# KiCad board Transmi.kicad_pcb (continued)
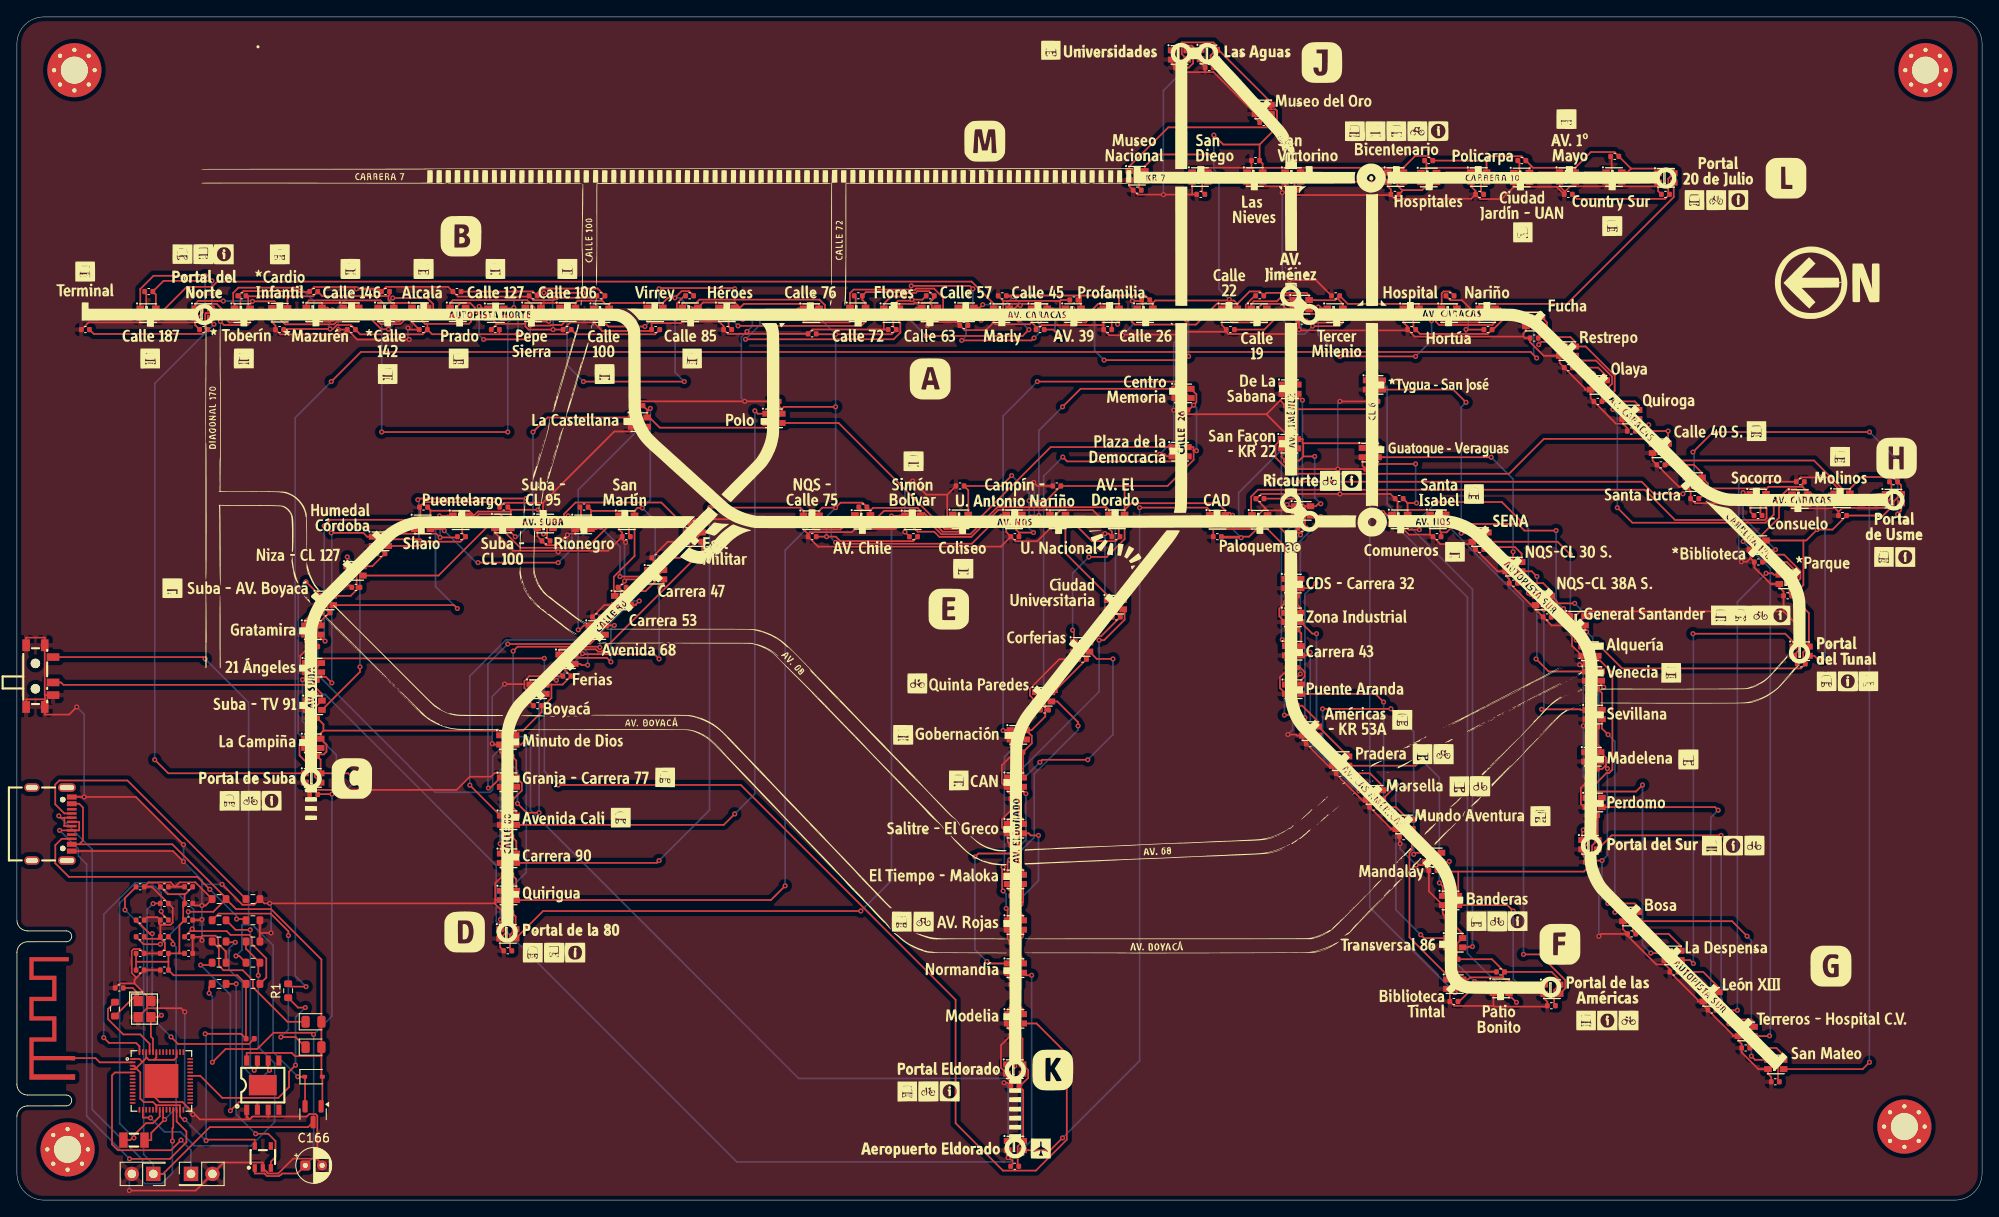
[diagram p0: board, top side]
## Library data of the parts
C1-C100 C102 C104 C116 C117 C122-C164 C166 = -: Description: Unpolarized capacitor; ki_fp_filters: C_*
C101 C103 C105-C115 C118-C121 = -: ki_fp_filters: C_*
D101 = -: ki_fp_filters: TO-???* *_Diode_* *SingleDiode* D_*
D129 D130 = -: ki_fp_filters: LED* LED_SMD:* LED_THT:*
H101-H104 = -: ki_fp_filters: MountingHole*
J101 J104 J105 = -: ki_fp_filters: Connector*:*_2x??_*
L101 = -: ki_fp_filters: Choke_* *Coil* Inductor_* L_*
LED2-LED148 = -: Datasheet: https://lcsc.com/product-detail/Light-Emitting-Diodes-LED_Worldsemi-WS2812B-2020_C965555.html; LCSC Part: C965555
Q101 = -: ki_fp_filters: SOT?23*
Q102 = -: Datasheet: https://lcsc.com/product-detail/Low-Dropout-Regulators-LDO_XC6220B331MR-G_C86534.html; Manufacturer: TOREX(特瑞仕); LCSC Part: C86534; JLC Part: Extended Part
R1 = -: Description: Resistor; ki_fp_filters: R_*
R101 R103-R109 R111-R113 = -: ki_fp_filters: R_*
SW129 = -: Manufacturer: XKB Connectivity(中国星坤); LCSC Part: C319019; JLC Part: Extended Part
U1 = -: LCSC Part: C2840995
U103 = -: Datasheet: https://lcsc.com/product-detail/PMIC-Battery-Management_UMW-Youtai-Semiconductor-Co-Ltd-TP4056_C725790.html; Manufacturer: TOPPOWER(南京拓微); LCSC Part: C725790; JLC Part: Basic Part
USB101 = -: Datasheet: https://lcsc.com/product-detail/USB-Connectors_SHOU-HAN-TYPE-C-16P-073_C668624.html; Manufacturer: SHOU HAN(首韩); LCSC Part: C668624; JLC Part: Extended Part
X101 = -: Datasheet: https://lcsc.com/product-detail/New-Arrivals_JGHC-S2240000101050_C426970.html; Manufacturer: JGHC(晶光华); LCSC Part: C426970; JLC Part: Extended Part
X102 = -: Datasheet: https://lcsc.com/product-detail/SMD-Crystals_EPSON_Q13FC1350000400_32-768KHz-20ppm-12-5pF_C32346.html; Manufacturer: EPSON(爱普生); LCSC Part: C32346; JLC Part: Basic Part

## Footprints (pads in the part's own frame, mm; a bottom-side part is the same pattern mirrored in y, then rotated)
C_0402_1005Metric
  rrect 0.56x0.62 smd: 1(-0.48,0) 2(0.48,0)
CP_Radial_D4.0mm_P2.00mm
  rrect 1.2x1.2 hole 0.6: 1(0,0)
  round 1.2 hole 0.6: 2(2,0)
CRYSTAL-SMD_4P-L2.5-W2.0-BL
  rect 1.2x1.1 smd: 1(-0.95,-0.75) 2(0.95,-0.75) 3(0.95,0.75) 4(-0.95,0.75)
D_SOD-323
  rrect 0.6x0.45 smd: 1(-1.05,0) 2(1.05,0)
ESOP-8_L4.9-W3.9-P1.27-LS6.0-BL-EP
  rect 0.6x1.2 smd: 1(-1.91,-2.91) 2(-0.64,-2.91) 3(0.64,-2.91) 4(1.91,-2.91) 5(1.91,2.91) 6(0.64,2.91) 7(-0.64,2.91) 8(-1.91,2.91)
  rect 3.3x2.4 smd: 9(0,0)
ESPRESSIF_ESP32_MIFA_2.4GHz_Right
  rect 0.5x0.5 smd: 1(-0.15,-0.01)
  rect 0.63x0.5 smd: 2(-2.385,-0.01)
FC-135R_L3.2-W1.5
  rect 1x1.8 smd: 1(-1.25,0) 2(1.25,0)
L_0402_1005Metric
  rrect 0.59x0.64 smd: 1(-0.485,0) 2(0.485,0)
LED-SMD_4P-L2.0-W2.0-TL_WS2812B-2020
  rect 0.9x0.7 smd: 1(-0.92,0.55) 2(-0.92,-0.55) 3(0.92,-0.55) 4(0.92,0.55)
LED_0805_2012Metric
  rrect 0.975x1.4 smd: 1(-0.938,0) 2(0.938,0)
MountingHole_3.2mm_M3_Pad_Via
  round 0.8 hole 0.5: 1(-2.4,0) 1(-1.697,1.697) 1(-1.697,-1.697) 1(0,2.4) 1(0,-2.4) 1(1.697,1.697) 1(1.697,-1.697) 1(2.4,0)
  round 6.4 hole 3.2: 1(0,0)
PinHeader_2x01_P2.54mm_Vertical
  rect 1.7x1.7 hole 1: 1(0,0)
  round 1.7 hole 1: 2(2.54,0)
QFN-56_L7.0-W7.0-P0.40-TL-EP4.0
  rect 0.66x0.2 smd: 1(-3.41,2.6) 2(-3.41,2.2) 3(-3.41,1.8) 4(-3.41,1.4) 5(-3.41,1) 6(-3.41,0.6) 7(-3.41,0.2) 8(-3.41,-0.2) 9(-3.41,-0.6) 10(-3.41,-1) 11(-3.41,-1.4) 12(-3.41,-1.8) 13(-3.41,-2.2) 14(-3.41,-2.6) 29(3.41,-2.6) 30(3.41,-2.2) 31(3.41,-1.8) 32(3.41,-1.4) 33(3.41,-1) 34(3.41,-0.6) 35(3.41,-0.2) 36(3.41,0.2) 37(3.41,0.6) 38(3.41,1) 39(3.41,1.4) 40(3.41,1.8) 41(3.41,2.2) 42(3.41,2.6)
  rect 0.2x0.66 smd: 15(-2.6,-3.41) 16(-2.2,-3.41) 17(-1.8,-3.41) 18(-1.4,-3.41) 19(-1,-3.41) 20(-0.6,-3.41) 21(-0.2,-3.41) 22(0.2,-3.41) 23(0.6,-3.41) 24(1,-3.41) 25(1.4,-3.41) 26(1.8,-3.41) 27(2.2,-3.41) 28(2.6,-3.41) 43(2.6,3.41) 44(2.2,3.41) 45(1.8,3.41) 46(1.4,3.41) 47(1,3.41) 48(0.6,3.41) 49(0.2,3.41) 50(-0.2,3.41) 51(-0.6,3.41) 52(-1,3.41) 53(-1.4,3.41) 54(-1.8,3.41) 55(-2.2,3.41) 56(-2.6,3.41)
  rect 4x4 smd: 57(0,0)
R_0603_1608Metric
  rrect 0.8x0.95 smd: 1(-0.825,0) 2(0.825,0)
SOT-23
  rrect 1.475x0.6 smd: 1(-0.938,0.95) 2(-0.938,-0.95) 3(0.938,0)
SOT-25_L3.0-W1.6-P0.95-LS2.8-TL
  rect 0.9x0.5 smd: 1(-1.3,0.95) 2(-1.3,0) 3(-1.3,-0.95) 4(1.3,-0.95) 5(1.3,0.95)
SW-SMD_SK-3296S-01-L3
  round 1.1 hole 1.1: (-1.5,-0.49) (1.5,-0.49)
  rect 0.9x1.5 smd: 1(-2.25,1.59) 2(0.75,1.59) 3(2.25,1.59)
  rect 1.4x0.9 smd: 4(-3.65,0.61) 4(-3.65,-1.59) 4(3.65,0.61) 4(3.65,-1.59)
USB-C-SMD_TYPE-C16PIN_C668624
  round 0.65 hole 0.65: (-2.89,1.29) (2.89,1.29)
  oval 1x2.1 hole 0.6x1.7: 1(-4.32,1.79) 2(4.32,1.79)
  oval 1x1.8 hole 0.6x1.4: 3(-4.32,-2.36) 4(4.32,-2.36)
  rect 0.6x1.15 smd: A1B12(-3.2,2.36) A4B9(-2.4,2.36) B1A12(3.2,2.36) B4A9(2.4,2.36)
  rect 0.3x1.15 smd: A5(-1.25,2.36) A6(-0.25,2.36) A7(0.25,2.36) A8(1.25,2.36) B5(1.75,2.36) B6(0.75,2.36) B7(-0.75,2.36) B8(-1.75,2.36)

## Nets
+3V3: C107.1 C108.1 C109.1 C113.2 C114.2 C115.2 C118.1 C119.1 C121.1 L101.1 Q102.5 R113.1 U1.1 U1.3 U1.4 U1.20 U1.27 U1.45 U1.51 U1.54
+5V: C106.1 D101.2 D129.2 D130.2 Q101.1 R101.2 U103.8 USB101.A4B9 USB101.B4A9
VBAT: R111.1 R112.2 U1.16
VBUS: D101.1 Q101.2 R112.1 SW129.1
VCC: C1.2 C2.2 C3.2 C4.2 C5.2 C6.2 C7.2 C8.2 C9.2 C10.2 C11.2 C12.2 C13.2 C14.2 C15.2 C16.2 C17.2 C18.2 C19.2 C20.2 C21.2 C22.2 C23.2 C24.2 C25.2 C26.2 C27.2 C28.2 C29.2 C30.2 C31.2 C32.2 C33.2 C34.2 C35.2 C36.2 C37.2 C38.2 C39.2 C40.2 C41.2 C42.2 C43.2 C44.2 C45.2 C46.2 C47.2 C48.2 C49.2 C50.2 C51.2 C52.2 C53.2 C54.2 C55.2 C56.2 C57.2 C58.2 C59.2 C60.2 C61.2 C62.2 C63.2 C64.2 C65.2 C66.2 C67.2 C68.2 C69.2 C70.2 C71.2 C72.2 C73.2 C74.2 C75.2 C76.2 C77.2 C78.2 C79.2 C80.2 C81.2 C82.2 C83.2 C84.2 C85.2 C86.2 C87.2 C88.2 C89.2 C90.2 C91.2 C92.2 C93.2 C94.2 C95.2 C96.2 C97.2 C98.2 C99.2 C100.2 C102.2 C104.2 C116.2 C117.2 C122.2 C123.2 C124.2 C125.2 C126.2 C127.2 C128.2 C129.2 C130.2 C131.2 C132.2 C133.2 C134.2 C135.2 C136.2 C137.2 C138.2 C139.2 C140.2 C141.2 C142.2 C143.2 C144.2 C145.2 C146.2 C147.2 C148.2 C149.2 C150.2 C151.2 C152.2 C153.2 C154.2 C155.2 C156.2 C157.2 C158.2 C159.2 C160.2 C161.2 C162.2 C163.2 C164.2 C166.1 LED2.4 LED3.4 LED4.4 LED5.4 LED6.4 LED7.4 LED8.4 LED9.4 LED10.4 LED11.4 LED12.4 LED13.4 LED14.4 LED15.4 LED16.4 LED17.4 LED18.4 LED19.4 LED20.4 LED21.4 LED22.4 LED23.4 LED24.4 LED25.4 LED26.4 LED27.4 LED28.4 LED29.4 LED30.4 LED31.4 LED32.4 LED33.4 LED34.4 LED35.4 LED36.4 LED37.4 LED38.4 LED39.4 LED40.4 LED41.4 LED42.4 LED43.4 LED44.4 LED45.4 LED46.4 LED47.4 LED48.4 LED49.4 LED50.4 LED51.4 LED52.4 LED53.4 LED54.4 LED55.4 LED56.4 LED57.4 LED58.4 LED59.4 LED60.4 LED61.4 LED62.4 LED63.4 LED64.4 LED65.4 LED66.4 LED67.4 LED68.4 LED69.4 LED70.4 LED71.4 LED72.4 LED73.4 LED74.4 LED75.4 LED76.4 LED77.4 LED78.4 LED79.4 LED80.4 LED81.4 LED82.4 LED83.4 LED84.4 LED85.4 LED86.4 LED87.4 LED88.4 LED89.4 LED90.4 LED91.4 LED92.4 LED93.4 LED94.4 LED95.4 LED96.4 LED97.4 LED98.4 LED99.4 LED100.4 LED101.4 LED102.4 LED103.4 LED104.4 LED105.4 LED106.4 LED107.4 LED108.4 LED109.4 LED110.4 LED111.4 LED112.4 LED113.4 LED114.4 LED115.4 LED116.4 LED117.4 LED118.4 LED119.4 LED120.4 LED121.4 LED122.4 LED123.4 LED124.4 LED125.4 LED126.4 LED127.4 LED128.4 LED129.4 LED130.4 LED131.4 LED132.4 LED133.4 LED134.4 LED135.4 LED136.4 LED137.4 LED138.4 LED139.4 LED140.4 LED141.4 LED142.4 LED143.4 LED144.4 LED145.4 LED146.4 LED147.4 LED148.4 Q102.1 R106.1 SW129.2
+BATT: C101.1 J101.1 Q101.3
BOOT: J105.1 U1.5
CHRG: R103.2 U103.7
Earth: C1.1 C2.1 C3.1 C4.1 C5.1 C6.1 C7.1 C8.1 C9.1 C10.1 C11.1 C12.1 C13.1 C14.1 C15.1 C16.1 C17.1 C18.1 C19.1 C20.1 C21.1 C22.1 C23.1 C24.1 C25.1 C26.1 C27.1 C28.1 C29.1 C30.1 C31.1 C32.1 C33.1 C34.1 C35.1 C36.1 C37.1 C38.1 C39.1 C40.1 C41.1 C42.1 C43.1 C44.1 C45.1 C46.1 C47.1 C48.1 C49.1 C50.1 C51.1 C52.1 C53.1 C54.1 C55.1 C56.1 C57.1 C58.1 C59.1 C60.1 C61.1 C62.1 C63.1 C64.1 C65.1 C66.1 C67.1 C68.1 C69.1 C70.1 C71.1 C72.1 C73.1 C74.1 C75.1 C76.1 C77.1 C78.1 C79.1 C80.1 C81.1 C82.1 C83.1 C84.1 C85.1 C86.1 C87.1 C88.1 C89.1 C90.1 C91.1 C92.1 C93.1 C94.1 C95.1 C96.1 C97.1 C98.1 C99.1 C100.1 C101.2 C102.1 C103.1 C104.1 C105.2 C106.2 C107.2 C108.2 C109.2 C110.2 C111.1 C112.1 C113.1 C114.1 C115.1 C116.1 C117.1 C118.2 C119.2 C120.2 C121.2 C122.1 C123.1 C124.1 C125.1 C126.1 C127.1 C128.1 C129.1 C130.1 C131.1 C132.1 C133.1 C134.1 C135.1 C136.1 C137.1 C138.1 C139.1 C140.1 C141.1 C142.1 C143.1 C144.1 C145.1 C146.1 C147.1 C148.1 C149.1 C150.1 C151.1 C152.1 C153.1 C154.1 C155.1 C156.1 C157.1 C158.1 C159.1 C160.1 C161.1 C162.1 C163.1 C164.1 C166.2 J101.2 J104.2 J105.2 LED2.2 LED3.2 LED4.2 LED5.2 LED6.2 LED7.2 LED8.2 LED9.2 LED10.2 LED11.2 LED12.2 LED13.2 LED14.2 LED15.2 LED16.2 LED17.2 LED18.2 LED19.2 LED20.2 LED21.2 LED22.2 LED23.2 LED24.2 LED25.2 LED26.2 LED27.2 LED28.2 LED29.2 LED30.2 LED31.2 LED32.2 LED33.2 LED34.2 LED35.2 LED36.2 LED37.2 LED38.2 LED39.2 LED40.2 LED41.2 LED42.2 LED43.2 LED44.2 LED45.2 LED46.2 LED47.2 LED48.2 LED49.2 LED50.2 LED51.2 LED52.2 LED53.2 LED54.2 LED55.2 LED56.2 LED57.2 LED58.2 LED59.2 LED60.2 LED61.2 LED62.2 LED63.2 LED64.2 LED65.2 LED66.2 LED67.2 LED68.2 LED69.2 LED70.2 LED71.2 LED72.2 LED73.2 LED74.2 LED75.2 LED76.2 LED77.2 LED78.2 LED79.2 LED80.2 LED81.2 LED82.2 LED83.2 LED84.2 LED85.2 LED86.2 LED87.2 LED88.2 LED89.2 LED90.2 LED91.2 LED92.2 LED93.2 LED94.2 LED95.2 LED96.2 LED97.2 LED98.2 LED99.2 LED100.2 LED101.2 LED102.2 LED103.2 LED104.2 LED105.2 LED106.2 LED107.2 LED108.2 LED109.2 LED110.2 LED111.2 LED112.2 LED113.2 LED114.2 LED115.2 LED116.2 LED117.2 LED118.2 LED119.2 LED120.2 LED121.2 LED122.2 LED123.2 LED124.2 LED125.2 LED126.2 LED127.2 LED128.2 LED129.2 LED130.2 LED131.2 LED132.2 LED133.2 LED134.2 LED135.2 LED136.2 LED137.2 LED138.2 LED139.2 LED140.2 LED141.2 LED142.2 LED143.2 LED144.2 LED145.2 LED146.2 LED147.2 LED148.2 Q102.2 R101.1 R105.2 R108.2 R109.2 R111.2 SW129.3 SW129.4 U1.57 U103.1 U103.3 USB101.A1B12 USB101.B1A12 X101.2 X101.4
LED: LED123.3 R1.2
RESET: C120.1 R113.2 U1.56
STBY: R104.2 U103.6
USB_DN: U1.25 USB101.A7 USB101.B7
USB_DP: U1.26 USB101.A6 USB101.B6
XTAL_N: C105.1 U1.52 X101.3
XTAL_P: R107.2 U1.53
Net-(C110-Pad1): C110.1 L101.2
Net-(D129-K): D129.1 R103.1
Net-(D130-K): D130.1 R104.1
Net-(J104-Pin_1): J104.1 U1.2
Net-(LED2-DO): LED2.1 LED26.3
Net-(LED5-DI): LED5.3 LED53.1
Net-(LED10-DI): LED9.1 LED10.3
Net-(LED10-DO): LED10.1 LED69.3
Net-(LED11-DO): LED11.1 LED59.3
Net-(LED12-DO): LED12.1 LED147.3
Net-(LED13-DO): LED13.1 LED37.3
Net-(LED14-DO): LED14.1 LED38.3
Net-(LED15-DI): LED3.1 LED15.3
Net-(LED15-DO): LED15.1 LED27.3
Net-(LED16-DI): LED4.1 LED16.3
Net-(LED16-DO): LED16.1 LED64.3
Net-(LED17-DI): LED17.3 LED65.1
Net-(LED18-DI): LED18.3 LED66.1
Net-(LED19-DI): LED19.3 LED55.1
Net-(LED20-DI): LED20.3 LED68.1
Net-(LED21-DI): LED21.3 LED57.1
Net-(LED21-DO): LED21.1 LED33.3
Net-(LED22-DI): LED22.3 LED34.1
Net-(LED22-DO): LED9.3 LED22.1
Net-(LED23-DO): LED23.1 LED71.3
Net-(LED24-DI): LED24.3 LED96.1
Net-(LED25-DO): LED25.1 LED49.3
Net-(LED26-DO): LED26.1 LED50.3
Net-(LED27-DO): LED27.1 LED39.3
Net-(LED28-DI): LED28.3 LED93.1
Net-(LED28-DO): LED28.1 LED76.3
Net-(LED29-DI): LED29.3 LED77.1
Net-(LED30-DI): LED30.3 LED78.1
Net-(LED31-DI): LED31.3 LED67.1
Net-(LED32-DI): LED32.3 LED80.1
Net-(LED33-DO): LED33.1 LED45.3
Net-(LED34-DI): LED34.3 LED46.1
Net-(LED35-DO): LED35.1 LED83.3
Net-(LED36-DI): LED36.3 LED84.1
Net-(LED36-DO): LED36.1 LED78.3
Net-(LED37-DO): LED37.1 LED61.3
Net-(LED38-DO): LED38.1 LED62.3
Net-(LED39-DO): LED39.1 LED51.3
Net-(LED40-DI): LED40.3 LED81.1
Net-(LED40-DO): LED40.1 LED88.3
Net-(LED41-DI): LED41.3 LED89.1
Net-(LED43-DI): LED43.3 LED79.1
Net-(LED44-DI): LED44.3 LED92.1
Net-(LED46-DI): LED46.3 LED58.1
Net-(LED47-DO): LED47.1 LED95.3
Net-(LED48-DI): LED48.3 LED72.1
Net-(LED48-DO): LED48.1 LED66.3
Net-(LED49-DO): LED49.1 LED73.3
Net-(LED50-DO): LED50.1 LED74.3
Net-(LED51-DO): LED51.1 LED63.3
Net-(LED54-DO): LED6.3 LED54.1
Net-(LED56-DO): LED8.3 LED56.1
Net-(LED57-DI): LED57.3 LED69.1
Net-(LED58-DI): LED58.3 LED70.1
Net-(LED60-DI): LED60.3 LED91.1
Net-(LED60-DO): LED7.3 LED60.1
Net-(LED61-DO): LED61.1 LED85.3
Net-(LED62-DO): LED62.1 LED86.3
Net-(LED63-DO): LED63.1 LED75.3
Net-(LED70-DI): LED70.3 LED82.1
Net-(LED73-DO): LED73.1 LED97.3
Net-(LED74-DO): LED74.1 LED98.3
Net-(LED75-DO): LED75.1 LED87.3
Net-(LED82-DI): LED82.3 LED94.1
Net-(LED87-DO): LED87.1 LED99.3
Net-(LED100-DI): LED52.1 LED100.3
Net-(LED100-DO): LED100.1 LED128.3
Net-(LED101-DI): LED101.3 LED131.1
Net-(LED101-DO): LED53.3 LED101.1
Net-(LED102-DI): LED102.3 LED105.1
Net-(LED102-DO): LED52.3 LED102.1
Net-(LED103-DI): LED103.3 LED128.1
Net-(LED103-DO): LED55.3 LED103.1
Net-(LED104-DI): LED104.3 LED126.1
Net-(LED104-DO): LED56.3 LED104.1
Net-(LED105-DI): LED8.1 LED105.3
Net-(LED106-DI): LED30.1 LED106.3
Net-(LED106-DO): LED11.3 LED106.1
Net-(LED107-DI): LED59.1 LED107.3
Net-(LED107-DO): LED107.1 LED113.3
Net-(LED108-DI): LED108.3 LED143.1
Net-(LED108-DO): LED12.3 LED108.1
Net-(LED109-DI): LED85.1 LED109.3
Net-(LED109-DO): LED109.1 LED133.3
Net-(LED110-DI): LED86.1 LED110.3
Net-(LED110-DO): LED110.1 LED134.3
Net-(LED111-DI): LED99.1 LED111.3
Net-(LED111-DO): LED94.3 LED111.1
Net-(LED112-DI): LED64.1 LED112.3
Net-(LED112-DO): LED112.1 LED139.3
Net-(LED113-DO): LED65.3 LED113.1
Net-(LED114-DI): LED114.3 LED141.1
Net-(LED114-DO): LED90.3 LED114.1
Net-(LED115-DI): LED115.3 LED140.1
Net-(LED115-DO): LED67.3 LED115.1
Net-(LED116-DI): LED116.3 LED138.1
Net-(LED116-DO): LED68.3 LED116.1
Net-(LED117-DI): LED20.1 LED117.3
Net-(LED117-DO): LED81.3 LED117.1
Net-(LED118-DI): LED18.1 LED118.3
Net-(LED118-DO): LED23.3 LED118.1
Net-(LED119-DI): LED42.1 LED119.3
Net-(LED119-DO): LED119.1 LED142.3
Net-(LED120-DI): LED17.1 LED120.3
Net-(LED120-DO): LED72.3 LED120.1
Net-(LED121-DI): LED97.1 LED121.3
Net-(LED121-DO): LED2.3 LED121.1
Net-(LED122-DI): LED98.1 LED122.3
Net-(LED122-DO): LED13.3 LED122.1
Net-(LED123-DO): LED123.1 LED135.3
Net-(LED124-DI): LED76.1 LED124.3
Net-(LED124-DO): LED124.1 LED127.3
Net-(LED125-DI): LED95.1 LED125.3
Net-(LED125-DO): LED77.3 LED125.1
Net-(LED126-DI): LED31.1 LED126.3
Net-(LED127-DO): LED79.3 LED127.1
Net-(LED129-DI): LED32.1 LED129.3
Net-(LED129-DO): LED93.3 LED129.1
Net-(LED130-DI): LED6.1 LED130.3
Net-(LED130-DO): LED35.3 LED130.1
Net-(LED131-DI): LED71.1 LED131.3
Net-(LED132-DI): LED29.1 LED132.3
Net-(LED132-DO): LED84.3 LED132.1
Net-(LED133-DO): LED14.3 LED133.1
Net-(LED134-DO): LED3.3 LED134.1
Net-(LED135-DO): LED4.3 LED135.1
Net-(LED136-DI): LED5.1 LED136.3
Net-(LED136-DO): LED25.3 LED136.1
Net-(LED137-DI): LED83.1 LED137.3
Net-(LED137-DO): LED89.3 LED137.1
Net-(LED138-DI): LED43.1 LED138.3
Net-(LED139-DO): LED91.3 LED139.1
Net-(LED140-DI): LED88.1 LED140.3
Net-(LED141-DI): LED44.1 LED141.3
Net-(LED142-DO): LED47.3 LED142.1
Net-(LED143-DI): LED90.1 LED143.3
Net-(LED144-DI): LED41.1 LED144.3
Net-(LED144-DO): LED96.3 LED144.1
Net-(LED145-DI): LED7.1 LED145.3
Net-(LED145-DO): LED80.3 LED145.1
Net-(LED146-DI): LED19.1 LED146.3
Net-(LED146-DO): LED92.3 LED146.1
Net-(LED147-DO): LED54.3 LED147.1
Net-(LED148-DI): LED24.1 LED148.3
Net-(LED148-DO): LED42.3 LED148.1
Net-(Q102-CE): Q102.3 R106.2
Net-(U1-GPIO33): R1.1 U1.37
Net-(U1-XTAL_32K_N): C112.2 U1.22 X102.2
Net-(U1-XTAL_32K_P): C111.2 U1.21 X102.1
Net-(U103-PROG): R105.1 U103.2
Net-(USB101-CC1): R108.1 USB101.A5
Net-(USB101-CC2): R109.1 USB101.B5
Net-(X101-OSC1): C103.2 R107.1 X101.1

Pads without a net: H101 1; H102 1; H103 1; H104 1; LED45 1; Q102 4; U1 6 7 8 9 10 11 12 13 14 15 17 18 19 23 24 28 29 30 31 32 33 34 35 36 38 39 40 41 42 43 44 46 47 48 49 50 55; U103 4 5 9; USB101 1 2 3 4 A8 B8

## Via types
v1: diameter 0.6, hole 0.3, Top to Bottom, 435 vias

## Routing (per net, layer and track width the routed paths; a pad name or vN(x,y) marks a point on that pad's centre or on a via; arc(x,y) is an arc through that point)
+3V3: length 87.9
  Top w0.2: C109.1 17.85,36.19 19.85,36.19 ; 17.94,28.2 14.11,28.2 ; 17.94,28.2 C113.2 19.22,29.19 ; 17.94,28.2 C114.2 18.56,26.6 26.1,26.6 R113.1 27.12,19.1 ; 19.22,29.19 19.22,29.36 19.24,29.38 ; 19.22,29.19 C121.1 ; 19.85,36.19 C118.1 19.85,34.86 19.68,34.7 ; 19.85,36.19 19.93,36.19 C115.2 ; 19.68,33.39 19.68,33.29 ; 19.68,33.39 19.68,34.7 ; 19.68,33.39 19.85,33.23 C119.1 19.24,32.52 19.24,29.38 ; U1.51 16.51,16.88 16.23,16.6 ; v1(22.29,19.68) 26.54,19.68 27.12,19.1 ; 19.24,29.38 19.24,29.19 ; 14.11,15.6 14.01,15.5 U1.4 ; 14.11,15.6 14.61,15.1 14.61,12 15,11.6 16.11,11.6 16.51,11.2 ; 14.11,15.6 14.86,16.35 ; 14.11,15.6 13.81,15.9 U1.3 ; 16.23,16.6 15.61,16.6 15.36,16.85 ; 16.23,16.6 18.61,16.6 18.91,16.9 U1.45 ; 27.12,19.1 L101.1 ; 15.36,16.85 14.86,16.35 ; 15.36,16.85 15.31,16.9 U1.54 ; v1(19.88,9.52) 19.8,9.6 19.61,9.6 19.31,9.9 U1.27 19.31,11.22 16.53,11.22 16.51,11.2 ; 19.68,34.7 19.68,34.94 ; 14.86,16.35 14.51,16.7 U1.1 ; 16.51,11.2 U1.20 ; v1(22.39,7.03) 22.51,7.15 28.16,7.15 Q102.5 ; C107.1 C108.1
  Bottom w0.2: v1(22.29,19.68) 22.39,19.57 v1(22.39,7.03) 22.37,7.03 v1(19.88,9.52)
+5V: length 83.4
  Top w0.2: D129.2 36.04,17.03 ; 36.04,17.03 D130.2 36.04,28.47 30.08,34.43 25.95,34.43 R101.2 ; 36.04,17.03 36.04,14.57 36.16,14.46 ; 36.04,17.03 32.91,17.03 32.53,17.41 27.2,17.41 U103.8 ; USB101.A4B9 7.37,46.9 7.82,46.45 7.82,42.55 7.37,42.1 ; v1(16.98,30.28) 14.99,30.28 C106.1 ; R101.2 23.25,34.12 v1(20.28,34.12) ; R101.2 24.76,35.74 18.39,42.1 7.37,42.1 ; 7.37,42.1 USB101.B4A9 ; 36.16,14.46 36.16,11.25 Q101.1 ; 36.16,14.46 D101.2
  Bottom w0.2: v1(20.28,34.12) 20.28,33.58 v1(16.98,30.28)
VBAT: length 42.1
  Top w0.2: 28.57,28.13 28.64,28.2 28.64,28.22 27.12,29.74 R111.1 ; 28.57,28.13 28.57,28.14 ; 28.57,28.13 28.57,28.11 ; 28.57,28.11 28.75,28.11 R112.2 ; 28.57,28.11 v1(28.57,26.59) ; U1.16 14.91,9.77 15.78,9.77 v1(15.81,9.73)
  Bottom w0.2: v1(15.81,9.73) 17.47,8.08 19.35,8.08 21.01,6.43 27.73,6.43 30.5,9.2 30.5,16.18 28.57,18.12 v1(28.57,26.59)
VBUS: length 83.1
  Top w0.2: D101.1 34.05,14.59 ; 34.05,14.59 v1(33.24,14.59) ; 34.05,14.59 34.11,14.54 34.11,14.44 ; v1(25.93,28.89) 26.32,28.89 R112.1 ; SW129.1 22.07,64.25 v1(22.29,64.03) ; 34.11,14.44 34.11,14.55 ; 34.11,14.44 Q101.2
  Bottom w0.2: 27.42,32.58 27.88,32.58 30.33,30.13 30.33,17.51 v1(33.24,14.59) ; 27.42,32.58 27.42,58.9 v1(22.29,64.03) ; 27.42,32.58 26.64,32.58 26.64,29.6 v1(25.93,28.89)
VCC: length 1600.7
  Top w0.2: LED145.4 160.95,96.35 160.95,94.65 161.03,94.58 ; LED3.4 125.95,106.05 ; 125.95,106.05 125.95,107.03 ; 125.95,106.05 125.59,106.41 C99.2 ; 152.45,82.1 151.55,83 C117.2 ; 152.45,82.1 152.45,79.63 C137.2 152.07,78.99 151.93,78.99 ; 152.45,82.1 LED114.4 153.76,82.1 154.04,82.39 v1(154.33,82.39) ; 72.61,72.05 72.55,72.05 C15.2 ; 72.61,72.05 74.4,72.05 75.55,73.2 v1(75.55,73.52) 75.55,73.58 LED83.4 76.53,76 ; 72.61,72.05 LED71.4 71.84,70.74 71.84,70.33 70.17,68.65 69.61,68.65 ; 176.05,105.05 175.6,105.5 LED111.4 ; 176.05,105.05 180.45,105.05 LED123.4 181.1,103.85 181.1,102.11 ; 176.05,105.05 176.05,104.34 174.71,103 C100.2 174.09,102.49 166.08,102.49 C68.2 165.29,103.27 165.29,104.9 165.95,105.55 ; 200.15,84.21 200.15,83.99 199.16,83 C53.2 ; 200.15,84.21 206.91,84.21 207.03,84.1 ; 200.15,84.21 200.15,84.79 LED40.4 199.45,86.05 198.5,87 v1(196.21,87) C37.2 ; 67.95,81.55 LED137.4 ; 67.95,81.55 73.11,81.55 ; 67.95,81.55 67.95,81.66 C135.2 ; 58.45,81.66 58.47,81.68 v1(61.68,81.68) ; 58.45,81.66 58.45,81.47 ; 58.45,81.66 C104.2 ; 187.11,65.8 LED60.4 186.45,64.85 186.45,63.65 C160.2 187,63.1 187.53,63.1 LED55.4 186.87,61.9 186.87,60.73 C89.2 187.61,60 LED67.4 186.9,57.3 186.9,56.2 C122.2 187.11,53.89 187.45,53.55 LED79.4 188.1,52.35 188.1,51.47 187.97,51.34 ; 187.11,65.8 187.11,66.05 186.01,66.05 C73.2 184.9,67.17 184.9,68.39 LED43.4 186.26,69.1 186.33,69.03 v1(187,69.03) ; 187.11,65.8 190,62.91 211.15,62.91 C22.2 211.43,63.7 211.43,64.83 LED124.4 212.11,69.46 C6.2 ; C151.2 v1(95.83,78.5) 96.93,78.5 97.46,77.97 106.08,77.97 C8.2 ; LED90.4 143.03,81.33 ; 143.03,81.33 143.59,81.33 v1(143.89,81.02) ; 143.03,81.33 143.03,81.6 142.17,82.46 131.91,82.46 131.11,81.65 ; 22.95,104.96 22.94,104.95 22.41,104.95 22.29,104.83 22.29,103.1 22.44,102.95 ; 22.95,104.96 LED25.4 ; 22.95,104.96 v1(24.03,104.96) 25.14,103.85 26.3,103.85 26.63,104.18 26.63,104.52 LED37.4 27.38,105.73 27.38,106.94 ; v1(23.14,16.31) 24.7,17.87 28.45,17.87 30.38,19.8 34.92,19.8 v1(35.11,19.6) ; 164.45,45.28 165.11,45.28 LED44.4 ; 164.45,45.28 164.45,43.15 C91.2 ; 164.45,45.28 163.23,46.5 C75.2 160.9,46.66 160.9,47.8 LED32.4 161.61,49.05 160.16,50.5 C59.2 156.93,50.67 156.93,51.83 LED20.4 157.61,53.05 157.02,53.05 LED8.4 ; v1(37.29,48.03) 35.64,48.03 C38.2 ; LED120.4 119.11,28.28 ; 119.11,28.28 118.42,27.59 118.42,25.69 C48.2 118.61,23.05 119.11,22.55 LED132.4 118.42,21.32 118.42,19.68 C32.2 119.03,19.08 LED144.4 119.69,15.38 119.69,14.45 118.67,13.43 ; 119.11,28.28 119.11,28.55 118.61,29.05 C64.2 118.39,30.71 118.39,32.39 LED108.4 119.11,33.65 118.35,34.4 118.35,35.75 C80.2 118.45,36.15 118.45,37.85 LED96.4 119.11,39.05 118.61,39.55 C96.2 118.45,42.15 118.45,43.85 LED84.4 119.11,45.05 118.61,45.55 C129.2 118.45,47.65 118.45,49.35 LED72.4 119.11,52.98 C145.2 120.12,54.04 120.12,54.92 LED12.4 120.1,55.6 121.72,57.23 121.72,58 ; 118.61,78.99 v1(120.32,78.99) ; 118.61,78.99 C40.2 ; 118.61,78.99 118.29,79.3 118.29,80.45 LED54.4 ; C6.2 210.17,71.5 211.45,72.78 211.45,78.05 ; C6.2 209.79,71.77 209.79,73.35 LED112.4 210.45,74.55 209.5,75.5 C134.2 ; 59.03,55.55 LED23.4 58.31,54.28 58.31,52.8 C94.2 59.11,52 LED11.4 59.76,49.35 59.76,48.44 58.81,47.5 58.75,47.5 ; 59.03,55.55 59.02,55.55 36.28,55.55 ; 59.03,55.55 59.03,55.55 59.91,55.55 62.11,57.75 C127.2 62.36,58.5 63.27,59.41 63.27,61 ; LED107.4 74.61,92.88 ; 74.61,92.88 74.61,93.34 74.69,93.42 ; 74.61,92.88 76.08,91.4 89.28,91.4 89.76,91.88 89.76,92.28 LED119.4 90.53,93.6 ; 170.61,38.87 LED68.4 169.93,35.32 169.93,33.68 C140.2 170.11,32.55 171.11,31.55 LED80.4 170.45,30.35 170.45,28.63 C156.2 174.59,28.5 C139.2 ; 170.61,38.87 168.21,38.87 C124.2 167.91,39.17 167.91,40.41 LED56.4 ; 170.61,38.87 185.48,38.87 C10.2 ; 147.45,122.15 147.45,122.64 C29.2 147.09,124.9 ; 147.45,122.15 151.95,122.15 ; 147.45,122.15 LED10.4 ; 58.45,81.47 LED113.4 ; 58.45,81.47 54.57,81.47 54.1,81 ; LED98.4 108.29,105.6 108.29,105.87 107.99,106.17 ; 118.67,13.43 119.11,13 LED143.4 118.45,6.35 118.45,4.13 C161.2 ; 118.67,13.43 C16.2 ; LED81.4 150.93,95.83 150.93,94.17 C92.2 151.53,93.58 ; C146.2 48.03,102.44 40.62,102.44 C97.2 39.52,103.55 37.88,103.55 37.4,103.07 v1(37.08,103.07) 31.64,103.07 C65.2 ; C146.2 48.59,103.67 ; C146.2 49.13,102.45 57.11,102.45 ; C14.2 58.37,29.71 58.37,31.4 LED106.4 59.03,33.56 C30.2 58.45,34.13 58.45,36.22 59.11,36.88 ; 69.28,106.42 69.65,106.05 70.11,106.05 ; 69.28,106.42 69.28,106.67 C66.2 68.75,107.86 62.16,107.86 61.59,107.29 C34.2 61.07,107.51 58.96,107.51 v1(58.95,107.5) C2.2 ; 69.28,106.42 66.37,106.42 66.11,106.15 ; v1(94.03,105.73) 94.07,105.73 94.29,105.5 LED62.4 94.95,106.05 86.05,106.05 85.6,105.6 ; 54.1,81 53.53,81.57 48.95,81.57 ; 54.1,81 LED101.4 52.71,80.27 52.71,78.89 C87.2 52.52,77.91 48.07,77.91 47.79,78.19 43.95,78.19 ; 44.61,106.15 48.61,106.15 LED97.4 47.95,104.95 47.95,104.03 48.31,103.67 48.59,103.67 ; 44.61,106.15 44.36,106.15 43.98,106.53 43.98,106.97 ; 44.61,106.15 LED85.4 ; 151.93,78.99 150.09,78.99 LED102.4 146.98,80 146.98,79.63 145.85,78.5 C88.2 142.69,78.38 v1(144.9,78.38) ; 151.93,78.99 v1(151.93,78.71) ; 62.75,78.82 62.75,78.36 C116.2 ; 62.75,78.82 62.75,79.9 LED125.4 ; 62.75,78.82 v1(62.33,78.82) ; 182.26,70.61 v1(184.38,70.61) ; 182.26,70.61 182.26,69.65 C57.2 ; 182.26,70.61 182.26,70.85 LED31.4 181.61,72.05 180.66,73 C41.2 177.45,73.15 177.45,74.85 LED19.4 178.11,76.48 177.33,77.26 173.86,77.26 C25.2 173.41,77.2 173.41,78.3 LED7.4 174.11,79.55 169.76,79.55 169.21,79.01 168.57,79.01 ; v1(58.82,105.6) 58.71,105.5 LED121.4 ; 130.45,107.03 LED15.4 129.59,104.64 C132.2 ; 130.45,107.03 133.56,107.03 C148.2 134.45,106.14 ; 130.45,107.03 125.95,107.03 ; C98.2 79.55,107.56 78.68,107.56 v1(77.88,106.76) 77.05,106.76 76.45,106.15 ; 164.11,122.15 LED22.4 163.4,120.9 163.4,120.04 163.94,119.5 ; 164.11,122.15 165.51,123.55 167.03,123.55 C142.2 173.95,123 ; 164.11,122.15 151.95,122.15 ; 173.95,123 174.46,123.51 178.09,123.51 C77.2 179.27,122.34 ; 173.95,123 LED46.4 173.29,120.95 173.29,119.31 C61.2 ; 43.98,106.97 36.13,106.97 C81.2 35.04,106.94 32.03,106.94 ; 43.98,106.97 44.11,107.1 C130.2 ; v1(119.8,82.75) 121.82,82.75 C56.2 131.11,84.5 ; 73.11,81.55 LED131.4 72.45,80.35 72.45,78.65 C136.2 ; 73.11,81.55 73.45,81.9 v1(74.04,81.9) ; 74.69,93.42 74.95,93.68 v1(74.97,93.68) ; 74.69,93.42 C63.2 ; LED35.4 63.26,61 63.27,61 ; 48.59,103.67 53.48,103.67 53.76,103.95 53.76,104.95 LED109.4 ; 151.95,122.15 LED9.4 151.22,120.88 151.22,119.88 C12.2 ; 179.27,122.34 179.45,122.15 184.45,122.15 ; 179.27,122.34 179.03,122.1 LED58.4 ; LED45.4 139.22,135.36 139.22,134.51 138.71,134 C60.2 137.57,134.52 137.57,136.66 137.89,136.98 141.62,136.98 141.95,136.65 141.95,136.38 ; C10.2 186.78,40.17 v1(187.62,40.17) ; C10.2 186.44,40.16 186.44,41.94 LED103.4 C154.2 186.95,45.66 186.95,46.94 LED91.4 ; C147.2 94.66,102.45 v1(96.92,102.45) 103.53,102.45 C19.2 103.73,103.36 103.73,104.78 LED86.4 104.45,106.05 105.72,106.05 105.73,106.04 106.14,106.04 106.27,106.17 107.99,106.17 ; LED34.4 166.84,120.36 166.84,120.02 166.32,119.5 163.94,119.5 ; 32.03,106.94 LED49.4 ; 32.03,106.94 27.38,106.94 ; 85.6,105.6 84.99,106.21 81.22,106.21 LED38.4 79.95,105.6 79.85,105.49 v1(79.73,105.49) ; 85.6,105.6 LED50.4 84.24,104.89 84.24,103.37 C131.2 ; 141.95,136.38 148.17,130.15 148.45,130.15 LED21.4 148.45,129.06 ; 141.95,136.38 LED33.4 141.29,135.44 141.29,134.32 C44.2 ; SW129.2 5.23,61.25 5.51,60.96 35.03,60.96 ; v1(150.02,57.38) 150.45,57.38 C27.2 152.13,58.5 154.03,56.6 LED8.4 ; v1(165.55,87.1) 161.21,87.1 C164.2 160.45,86.65 160.45,88.35 LED146.4 161.11,89.55 152.26,89.55 ; 76.53,76 78.49,76 80.45,77.96 80.45,78.35 LED95.4 81.11,79.55 81.05,79.55 C47.2 ; 76.53,76 C31.2 ; 40.21,72.5 40.21,74.27 LED65.4 42.07,75 C71.2 43.27,76.79 43.27,77.83 43.64,78.19 43.95,78.19 ; 40.21,72.5 C70.2 ; 40.21,72.5 40.21,72.2 39.51,71.5 LED53.4 36.77,70.83 36.77,69.7 36.97,69.5 ; 43.95,78.19 LED77.4 ; 101.03,81.6 101,81.6 C152.2 100.08,82.52 97.49,82.52 v1(96.9,81.93) 95.33,81.93 94.95,81.55 LED6.4 ; 101.03,81.6 LED18.4 ; 101.03,81.6 101.33,81.9 106.59,81.9 106.95,81.55 106.95,81.28 ; C4.2 147.63,103 148.92,104.28 148.92,104.53 ; 191.95,93.78 191.29,93.12 191.29,91.27 C21.2 191.57,91 v1(195.45,91) LED28.4 ; 191.95,93.78 191.95,94.05 191.5,94.5 C5.2 187.61,95.34 ; 191.95,93.78 LED16.4 ; C1.2 9.1,102.49 21.98,102.49 22.44,102.95 ; 63.27,61 64.58,61 C143.2 64.84,62.75 64.84,63.36 LED47.4 66.03,64.23 ; LED2.4 66.11,106.15 ; 66.11,106.15 62.03,106.15 LED133.4 ; 156.28,106.72 156.04,106.48 153.62,106.48 153.6,106.5 LED63.4 152.95,107.05 152.64,107.35 147.89,107.35 147.59,107.05 ; 156.28,106.72 156.95,106.05 LED75.4 156.04,104.59 156.04,104.22 155.64,103.82 153.66,103.82 153.48,104 C36.2 152.04,104.53 148.92,104.53 ; 156.28,106.72 C52.2 157.51,106.05 165.95,106.05 ; 181.1,102.11 183.88,102.11 184.45,101.55 LED135.4 185.69,101 189.11,97.58 189.11,95.76 188.69,95.34 187.61,95.34 ; 181.1,102.11 180.18,102.11 C133.2 ; C9.2 168.57,79.01 ; 168.57,79.01 168.45,79.12 168.45,80.45 LED138.4 169.11,81.65 169.09,81.67 164.61,81.67 ; 151.53,93.58 160.03,93.58 161.03,94.58 ; 151.53,93.58 LED93.4 152.18,90.05 152.18,89.63 152.26,89.55 ; 36.28,55.55 36.28,56.3 C23.2 35.41,57.17 35.41,58.41 LED17.4 36.11,59.89 35.03,60.96 ; 36.28,55.55 35.95,55.21 LED5.4 36.64,53.9 36.64,53.05 36.33,52.74 35.8,52.74 C7.2 35.95,52.12 LED136.4 39.21,50.5 v1(40.09,49.63) ; C84.2 169.59,107.51 168.86,107.51 168.64,107.29 168.64,106.05 ; 22.44,102.95 22.54,102.95 C33.2 ; 187.61,95.34 187.55,95.34 187.42,95.48 187.42,96.31 LED4.4 188.11,97.55 187.16,98.5 C149.2 ; 130.42,80.05 130.42,78.64 C72.2 130.04,77.97 127.24,77.97 LED66.4 ; 130.42,80.05 v1(130.19,80.05) ; 130.42,80.05 130.42,80.42 LED78.4 131.11,81.65 ; 187.97,51.34 187.63,51 C138.2 ; 187.97,51.34 v1(188.26,51.05) ; LED117.4 151.95,69.78 ; 151.95,69.78 151.95,70.05 151.59,70.41 C141.2 151.27,71.82 151.27,72.82 LED105.4 151.29,73.5 151.18,73.61 v1(151.08,73.61) ; 151.95,69.78 151.29,69.12 151.29,67.79 C157.2 152.03,67.06 LED129.4 151.36,64.88 151.36,63.23 C11.2 151.9,63 152.42,62.48 152.42,61.95 152.03,61.55 LED141.4 151.37,61 151.23,60.85 v1(151.11,60.85) ; 168.64,106.05 165.95,106.05 ; 168.64,106.05 170.45,106.05 LED99.4 ; 165.95,106.05 165.95,105.55 ; LED76.4 216.95,84.15 218.35,85.56 222.05,85.56 C150.2 223.03,84.58 LED88.4 222.13,82.65 222.13,82.24 220.89,81 C102.2 214.91,79.34 v1(213.09,79.34) 211.8,78.05 211.45,78.05 ; LED74.4 100.45,106.15 100.07,106.53 C3.2 100.5,107.44 105.23,107.44 105.32,107.35 106.39,107.35 106.58,107.55 107.94,107.55 108.49,107 ; LED82.4 190.6,121.6 191.05,122.05 ; 148.45,129.06 147.91,129.06 147.75,128.91 147.75,127.81 C28.2 ; 148.45,129.06 148.97,129.06 149.14,128.89 149.14,126.95 147.09,124.9 ; 161.03,94.58 C163.2 ; C139.2 181.66,27 182.61,26.05 LED116.4 181.95,24.85 181.95,23.15 C155.2 ; C139.2 175.89,26.8 175.89,26.36 ; LED104.4 176.61,26.15 176.09,26.15 175.89,26.36 ; 147.09,124.9 142.79,124.9 v1(141.67,126.01) ; LED13.4 16.45,107.14 C17.2 17.35,108.77 v1(23.08,108.77) ; LED26.4 76.45,106.15 ; 76.45,106.15 70.21,106.15 70.11,106.05 ; 27.38,106.94 27.17,106.94 C49.2 ; 139.28,88.67 139.26,88.7 139.26,89.1 LED148.4 ; 139.28,88.67 139.28,87.59 136.19,84.5 131.11,84.5 ; 139.28,88.67 v1(139.62,88.67) ; v1(96.9,93.86) 90.79,93.86 90.53,93.6 ; 165.95,105.55 LED87.4 ; 69.61,68.65 69.44,68.65 C159.2 ; 69.61,68.65 LED59.4 70.26,68 v1(70.72,68) ; 175.89,26.36 172.01,26.36 171.76,26.1 LED92.4 171.76,25.45 171.76,24.54 170.71,23.5 C123.2 ; v1(122.88,104.95) 122.6,105.23 122.6,105.5 LED134.4 121.95,106.05 117.45,106.05 LED122.4 118.1,105.5 118.46,105.86 v1(118.76,105.86) ; 152.26,87.99 151.76,87.5 C125.2 ; 152.26,87.99 152.26,89.55 ; 152.26,87.99 v1(153.61,87.99) ; C43.2 153.34,54.23 153.34,55.36 LED8.4 ; C78.2 58.75,47.5 ; 58.75,47.5 58.75,46.41 59.11,46.05 LED142.4 58.43,44.82 58.43,43.16 C62.2 59.11,42.48 LED130.4 58.45,40.35 58.45,38.63 C46.2 59.11,37.98 59.11,36.88 ; v1(130.03,70.87) 130.15,71 LED48.4 130.26,70.31 130.26,69.35 C95.2 128.36,66.75 127.14,66.75 126.95,66.55 LED36.4 126.29,65.35 126.29,64.31 C128.2 123.1,60.49 123.1,60.1 LED24.4 121.72,59.38 121.72,58 ; 106.95,81.28 107.39,81.28 109.58,79.09 111.42,79.09 111.92,79.59 111.92,80.42 LED42.4 112.61,84 C24.2 116.51,84.5 v1(117.74,85.73) ; 106.95,81.28 LED30.4 ; 121.72,58 C144.2 ; 57.11,102.45 C18.2 ; 57.11,102.45 v1(59.26,102.45) 65.06,102.45 C50.2 66.16,102.44 75.53,102.44 C82.2 ; 90.53,93.6 90.24,93.89 C79.2 ; C153.2 164.61,82.48 164.61,82.48 ; C83.2 122.67,103 v1(123.47,102.19) ; C69.2 206.37,81.19 206.37,82.9 LED52.4 207.03,84.1 ; C86.2 48.95,81.66 48.95,81.57 ; C85.2 211.34,84.78 211.34,84.4 ; 211.45,78.05 LED100.4 ; LED39.4 144.45,106.05 ; 144.45,106.05 144.05,106.44 143.5,106.44 ; 144.45,106.05 144.45,106.05 145.91,107.51 147.13,107.51 147.59,107.05 ; 131.11,81.65 131.11,84.5 ; 163.94,119.5 163.94,119.35 C45.2 ; 164.61,81.67 LED126.4 ; 164.61,81.67 164.61,82.48 ; C76.2 132.8,119.78 132.8,121.06 133.5,121.76 133.5,122.31 134.91,123.72 v1(141.67,123.72) ; Q102.1 28.16,3.15 29.3,3.15 29.3,3.14 29.6,2.85 31.05,2.85 31.2,3 31.25,3 31.4,3.15 33.18,3.15 C166.1 ; C35.2 108.49,107 ; 108.49,107 108.49,106.67 107.99,106.17 ; C90.2 208.45,14.15 208.45,15.95 LED140.4 209.11,17.15 208.26,18 C74.2 204.95,18.15 204.95,19.85 LED128.4 205.61,21.05 205.29,21.37 202.24,21.37 C58.2 200.77,22.84 200.77,24.2 201.45,24.88 ; 164.61,82.48 v1(165.66,82.48) ; 191.05,122.05 196.11,122.05 LED94.4 195.45,120.85 195.45,119.15 C158.2 195.08,118.47 184.63,118.47 C93.2 ; 191.05,122.05 191.05,122.06 C126.2 189.09,124.01 186.31,124.01 184.45,122.15 ; LED147.4 139.6,95.34 139.6,94.39 v1(139.28,94.07) 138.72,93.5 C162.2 ; 66.03,64.23 65.71,64.23 ; 66.03,64.23 66.09,64.16 69.83,64.16 v1(70.31,63.69) ; 48.95,81.57 LED89.4 ; R106.1 22.75,25.22 v1(22.75,24.48) ; 70.11,106.05 LED14.4 ; 35.29,66.99 35.29,65.81 C54.2 ; 35.29,66.99 35.29,67.35 LED41.4 35.95,68.55 36.02,68.55 36.97,69.5 ; 35.29,66.99 v1(35.06,66.99) ; C55.2 36.97,69.5 ; 134.45,106.14 134.75,106.44 143.5,106.44 ; 134.45,106.14 LED27.4 ; 35.03,60.96 C39.2 35.34,61.73 35.34,62.86 LED29.4 35.37,63.55 35.23,63.4 v1(35.11,63.4) ; 59.11,36.88 LED118.4 ; 147.59,107.05 C20.2 ; 207.03,84.1 207.33,84.4 211.34,84.4 ; 143.5,106.44 v1(143.5,106.57) ; C13.2 140.29,119.31 140.29,120.95 LED69.4 141.6,121.6 141.87,121.33 v1(142.28,121.33) ; v1(188.32,35.1) 191.5,35.1 191.95,34.65 LED115.4 191.28,33.43 191.28,31.83 C26.2 195.5,31.5 196.95,30.05 LED127.4 196.25,28.81 196.25,27.35 C42.2 199.6,27 201.45,25.15 201.45,24.88 ; LED139.4 201.45,24.88 ; 125.95,107.03 117.14,107.03 C67.2 117.21,106.9 v1(117.93,106.9) ; 211.34,84.4 211.7,84.05 211.95,84.05 LED64.4 212.6,83.5 212.93,83.17 v1(213.12,83.17) ; 184.45,122.15 LED70.4 ; v1(37.36,105.33) 37.03,105.33 36.76,105.6 LED61.4 36.11,106.15 40.45,106.15 LED73.4 ; LED51.4 148.92,104.53 ; C51.2 112.57,104.91 LED110.4 113.96,105.6 v1(114.32,105.95)
  Bottom w0.2: v1(165.66,82.48) 165.55,82.59 v1(165.55,87.1) ; v1(79.73,105.49) 78.47,106.76 v1(77.88,106.76) ; v1(35.06,66.99) 35.06,63.44 v1(35.11,63.4) ; v1(122.88,104.95) 122.88,102.79 v1(123.47,102.19) ; v1(23.08,108.77) 23.08,105.9 v1(24.03,104.96) ; v1(70.72,68) 70.31,67.59 v1(70.31,63.69) ; v1(94.03,105.73) 94.03,105.34 v1(96.92,102.45) 96.9,102.43 v1(96.9,93.86) v1(96.9,81.93) 95.83,80.86 v1(95.83,78.5) ; v1(139.62,88.67) 139.62,93.73 v1(139.28,94.07) ; v1(154.33,82.39) 153.61,83.11 v1(153.61,87.99) ; v1(22.75,24.48) 23.14,24.09 v1(23.14,16.31) ; v1(74.97,93.68) 74.97,82.83 v1(74.04,81.9) 75.55,80.38 v1(75.55,73.52) ; v1(58.95,107.5) 58.82,107.37 v1(58.82,105.6) 59.33,105.1 59.33,102.52 v1(59.26,102.45) ; v1(184.38,70.61) 185.96,69.03 v1(187,69.03) ; v1(61.68,81.68) 62.33,81.03 v1(62.33,78.82) ; v1(150.02,57.38) 150.02,59.76 v1(151.11,60.85) ; v1(37.08,103.07) 36.91,103.25 36.91,104.88 v1(37.36,105.33) ; v1(144.9,78.38) 143.89,79.39 v1(143.89,81.02) ; v1(213.12,83.17) 213.09,83.14 v1(213.09,79.34) ; v1(120.32,78.99) 119.8,79.51 v1(119.8,82.75) 119.8,83.68 v1(117.74,85.73) ; v1(143.5,106.57) 142.28,107.79 v1(142.28,121.33) 141.67,121.94 v1(141.67,123.72) v1(141.67,126.01) ; v1(118.76,105.86) 118.76,106.06 v1(117.93,106.9) 116.98,105.95 v1(114.32,105.95) ; v1(130.19,80.05) 130.03,79.89 v1(130.03,70.87) ; v1(188.26,51.05) 188.26,40.81 v1(187.62,40.17) 187.62,35.8 v1(188.32,35.1) ; C166.1 35.11,5.08 v1(35.11,19.6) 37.29,21.78 v1(37.29,48.03) 38.5,48.03 v1(40.09,49.63) ; v1(151.08,73.61) 151.08,77.86 v1(151.93,78.71) ; v1(195.45,91) 195.45,87.76 v1(196.21,87)
